# Altium PCB FMC_ADC_250M_16B_4ch.PcbDoc (part 4 of 8)
Units mm, origin at the board's own origin, x right, y up, seen from the top; angles counter-clockwise.
Board outline 76.75 x 69 mm, 8 copper layers (Top Layer, GND(SMAGND), L3, GND, L5, GND (Plane2), Power, Bottom Layer), stack 2.323 mm thick; 401 components, 423 nets, 2219 pads, 1334 vias.
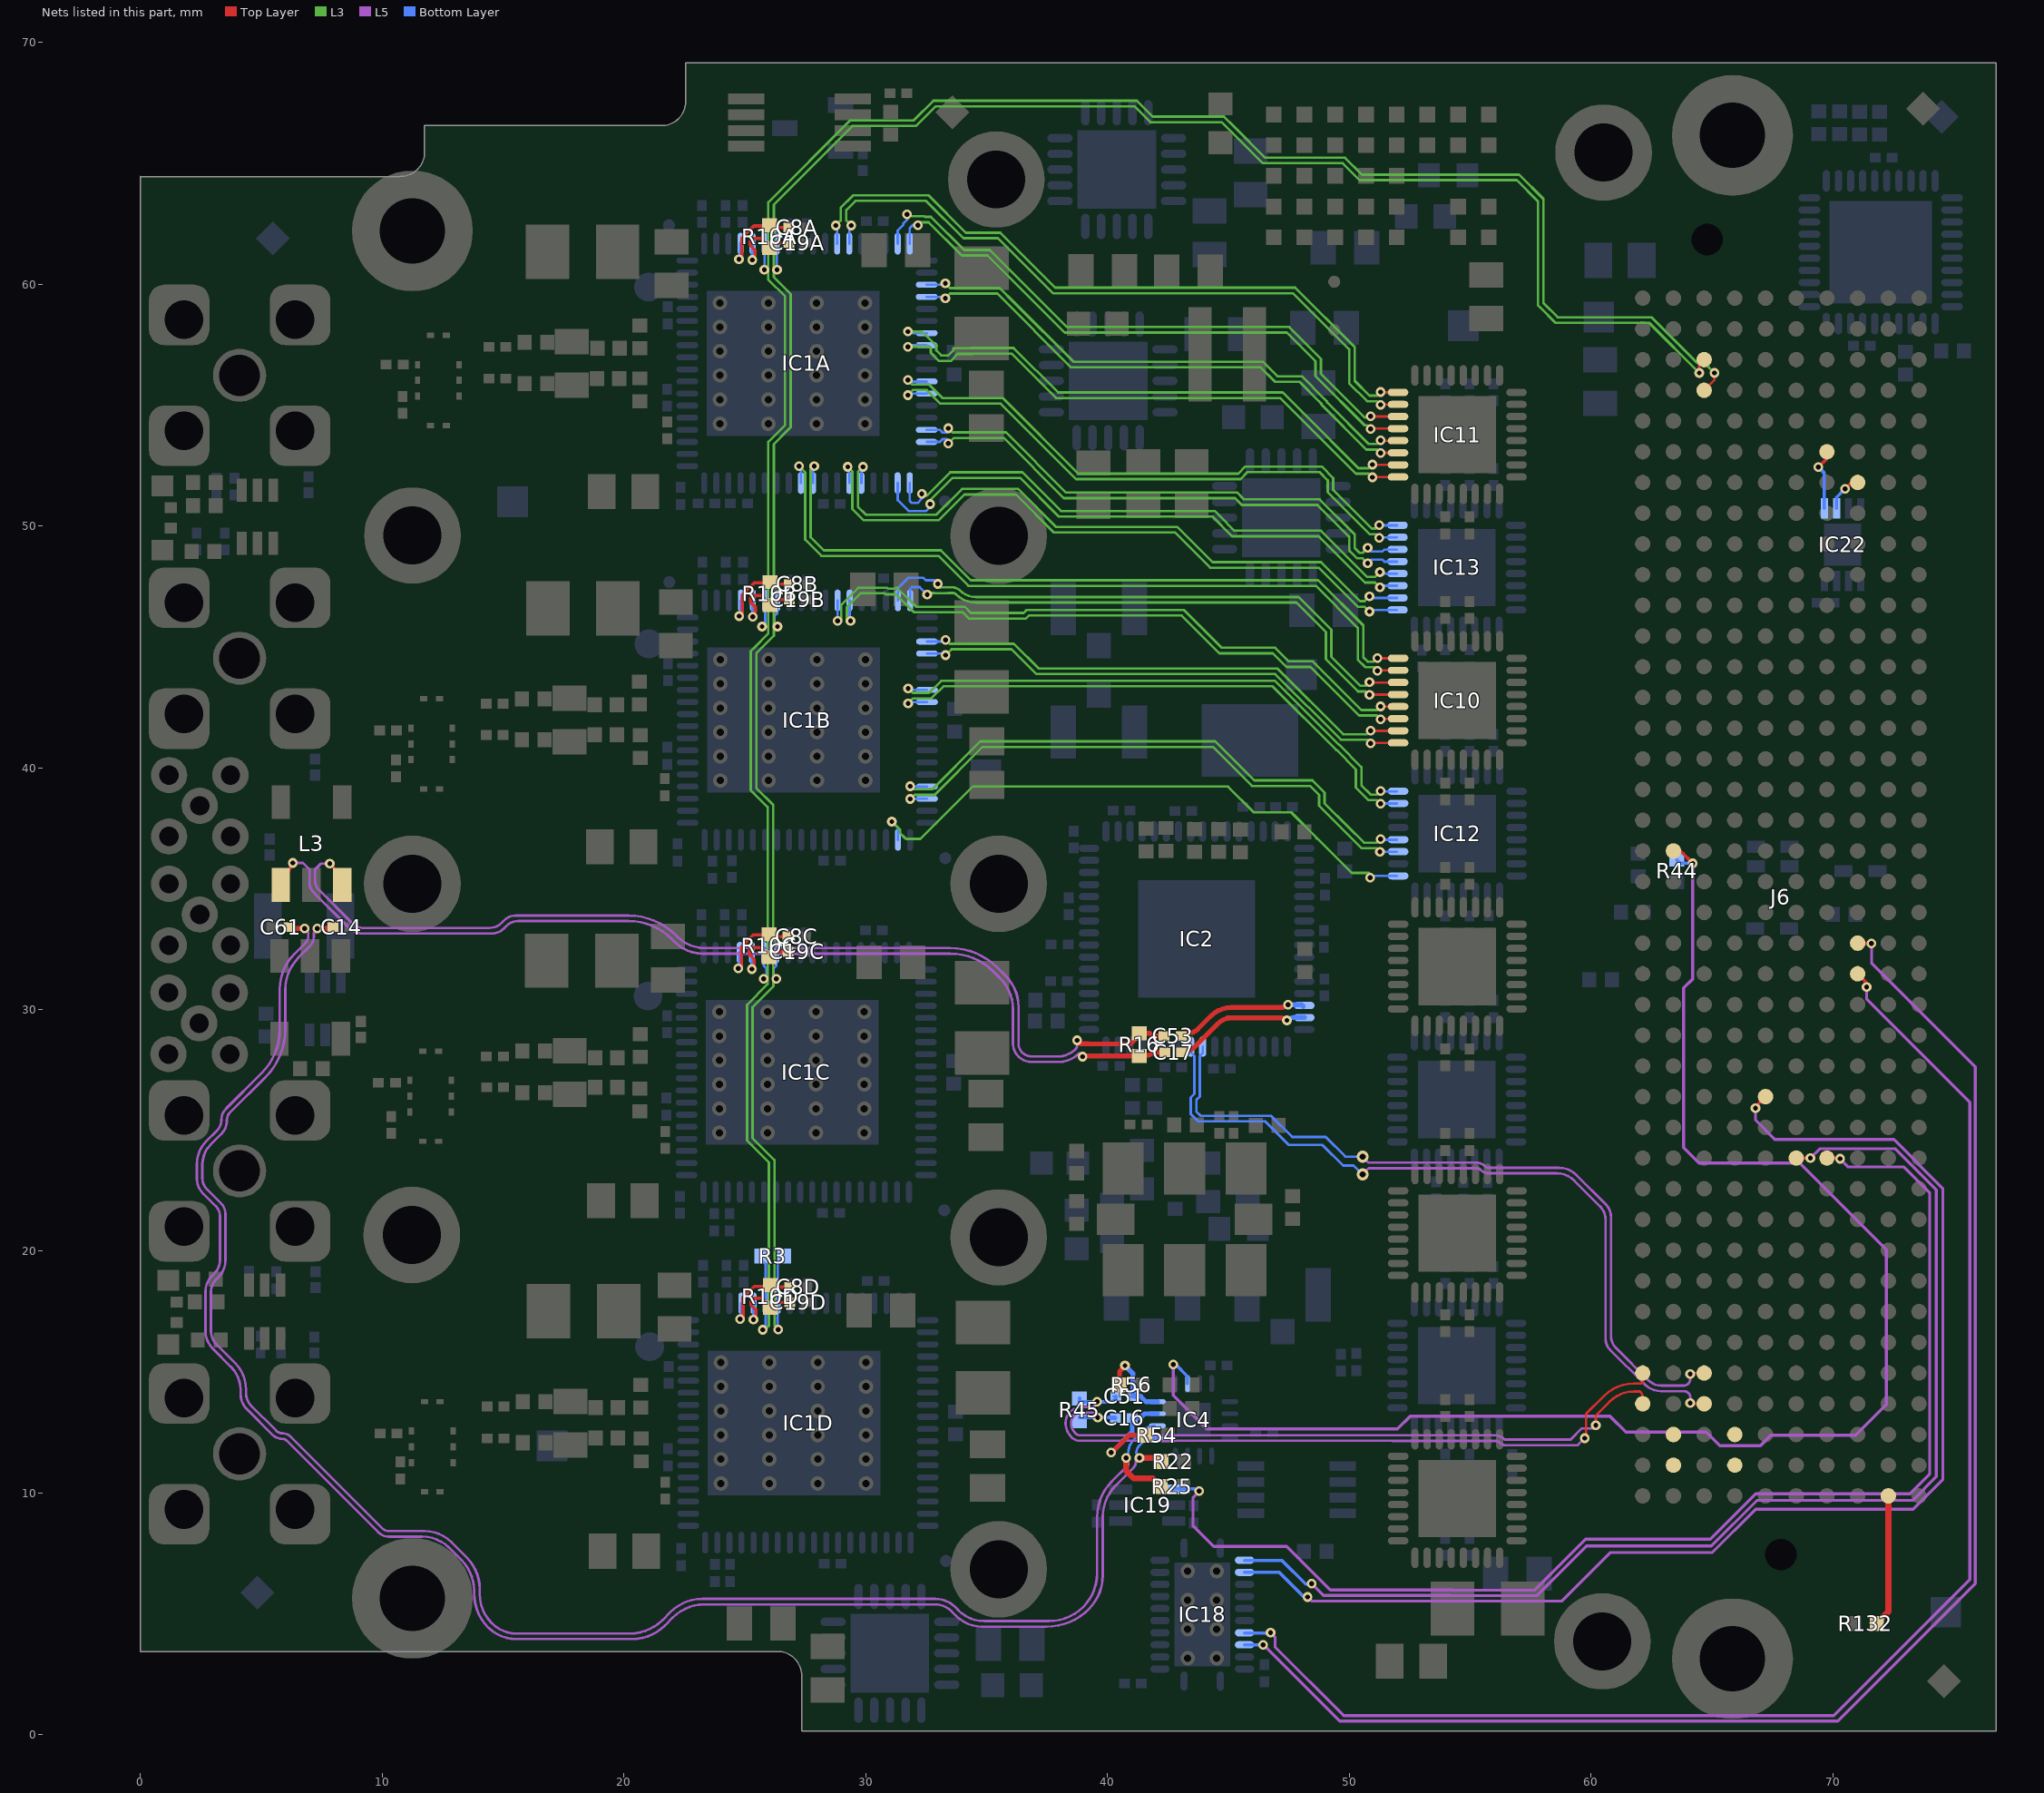
[diagram p10: the nets of this part, all layers, seen from the top]

## Via types
v1: diameter 0.4, hole 0.2, Top Layer to Bottom Layer, tented both sides, 961 vias
v2: diameter 0.5, hole 0.2, Top Layer to Bottom Layer, tented both sides, 314 vias
v3: diameter 0.4, hole 0.2, Top Layer to Bottom Layer, 33 vias
v4: diameter 0.5, hole 0.25, Top Layer to Bottom Layer, tented both sides, 19 vias
v5: diameter 0.6, hole 0.3, Top Layer to Bottom Layer, tented both sides, 7 vias

## Nets (pads, with @x,y where several pads share a name; then routed paths per layer and width w, separated by ;. In a path a pad name is that pad's centre, name@x,y a point inside that pad or via, vN(x,y) a via of type N, cw(c..) or ccw(c..) an arc to the next point about the centre after c; other vN are vias at no path point) (continued)
ADC_DATA2.D4_P: IC1B.56 IC12.9 | length 24.5
  L3 w0.102: v1(31.085,37.771) 31.434,37.421 31.434,37.285 31.618,37.101 31.668,37.051 32.263,37.051 34.431,39.219 44.987,39.219 46.054,38.152 47.603,38.152 48.644,37.111 48.644,37.071 ; 48.684,37.071 50.109,35.646 v1@50.825,35.646
  Bottom Layer w0.102: v1(31.085,37.771) 31.1,37.771 31.339,37.531 IC1B.56@31.339,37.017 ; v1(50.865,35.456) 50.93,35.521 IC12.9@51.971,35.521
ADC_DATA2.D6_N: IC1B.51 IC12.12 | length 23.8
  L3 w0.102: v1(31.841,39.23) 31.964,39.107 32.762,39.107 34.743,41.088 44.457,41.088 46.072,39.473 48.482,39.473 48.986,38.969 48.986,38.522 49.967,37.541 50.611,36.897 51.145,36.897 v1(51.297,37.049)
  Bottom Layer w0.102: v1(31.841,39.23) 31.854,39.217 IC1B.51@32.539,39.217 ; v1(51.297,37.049) 51.326,37.021 IC12.12@51.971,37.021
ADC_DATA2.D6_P: IC1B.52 IC12.11 | length 23.8
  L3 w0.102: v1(31.841,38.703) 31.848,38.703 32.023,38.878 32.857,38.878 34.838,40.859 44.363,40.859 45.977,39.245 48.387,39.245 48.757,38.874 48.757,38.428 50.517,36.668 51.119,36.668 v1(51.272,36.516)
  Bottom Layer w0.102: v1(31.841,38.703) 31.854,38.717 IC1B.52@32.539,38.717 ; v1(51.272,36.516) 51.277,36.521 IC12.11@51.971,36.521
ADC_DATA2.D8_N: IC1B.43 IC12.16 | length 23.8
  L3 w0.102: v1(31.76,43.28) 31.945,43.094 32.624,43.094 33.121,43.592 46.93,43.592 49.569,40.953 49.578,40.953 50.51,40.022 50.51,39.266 50.891,38.885 51.148,38.885 v1(51.297,39.034)
  Bottom Layer w0.102: v1(31.76,43.28) 31.823,43.217 IC1B.43@32.539,43.217 ; v1(51.297,39.034) 51.311,39.021 IC12.16@51.971,39.021
ADC_DATA2.D8_P: IC1B.44 IC12.15 | length 23.8
  L3 w0.102: v1(31.76,42.653) 31.972,42.866 32.718,42.866 33.216,43.363 46.835,43.363 49.474,40.724 49.484,40.724 50.281,39.927 50.281,39.171 50.796,38.656 51.148,38.656 v1(51.297,38.507)
  Bottom Layer w0.102: v1(31.76,42.653) 31.823,42.717 IC1B.44@32.539,42.717 ; v1(51.297,38.507) 51.311,38.521 IC12.15@51.971,38.521
ADC_DATA2.D10_N: IC1B.39 IC10.15 | length 21.1
  Top Layer w0.102: v1(50.891,41.534) 50.904,41.521 IC10.15@51.971,41.521
  L3 w0.102: v1(33.309,45.28) 33.463,45.126 34.032,45.126 34.045,45.139 ; 34.058,45.126 36.133,45.126 37.16,44.099 47.033,44.099 49.747,41.385 50.742,41.385 v1(50.891,41.534)
  Bottom Layer w0.102: IC1B.39@32.539,45.217 33.246,45.217 v1(33.309,45.28)
ADC_DATA2.D10_P: IC1B.40 IC10.16 | length 21.2
  Top Layer w0.102: v1(50.891,41.007) 50.904,41.021 IC10.16@51.971,41.021
  L3 w0.102: v1(33.309,44.653) 33.554,44.898 36.039,44.898 37.066,43.871 46.938,43.871 49.653,41.156 50.742,41.156 v1(50.891,41.007)
  Bottom Layer w0.102: IC1B.40@32.539,44.717 33.246,44.717 v1(33.309,44.653)
ADC_DATA2.D12_N: IC1B.35 IC10.11 | length 23.8
  Top Layer w0.102: v1(50.84,43.534) 50.854,43.521 IC10.11@51.971,43.521
  L3 w0.102: v1@32.99,47.494 33.03,47.454 33.596,47.454 cw(c33.596,47.015) 33.906,47.325 ccw(c34.554,47.973) 34.554,47.057 47.912,47.057 49.265,45.703 49.265,44.579 50.459,43.385 50.691,43.385 v1(50.84,43.534)
  Bottom Layer w0.102: IC1B.35@31.339,46.917 31.339,47.422 31.764,47.847 32.392,47.847 32.494,47.746 32.841,47.746 v1(32.99,47.597)
ADC_DATA2.D12_P: IC1B.36 IC10.12 | length 23.1
  Top Layer w0.102: v1(50.84,43.007) 50.854,43.021 IC10.12@51.971,43.021
  L3 w0.102: v1@32.606,47.153 32.678,47.225 32.828,47.225 32.834,47.219 33.4,47.219 33.406,47.225 33.596,47.225 cw(c33.596,47.015) 33.745,47.163 ccw(c34.554,47.972) 34.554,46.828 47.817,46.828 49.037,45.609 49.037,44.484 50.364,43.156 50.691,43.156 v1(50.84,43.007)
  Bottom Layer w0.102: IC1B.36@31.839,46.917 31.839,47.383 31.922,47.466 32.234,47.466 v1(32.547,47.153)
ADC_DATA2.D14_N: IC1B.30 IC10.13 | length 27.4
  Top Layer w0.102: v1(51.297,42.536) 51.312,42.521 IC10.13@51.971,42.521
  L5 w0.102: v1(28.847,46.066) v1@28.996,46.066
  L3 w0.102: v1(28.847,46.066) 28.971,46.066 28.996,46.092 28.996,46.738 29.696,47.438 30.889,47.438 30.929,47.398 31.221,47.398 31.261,47.438 31.307,47.438 32.088,46.657 34.098,46.657 34.358,46.396 36.536,46.396 36.659,46.52 43.172,46.52 44.733,44.96 46.936,44.96 47.499,44.397 48.496,44.397 48.63,44.263 50.51,42.383 51.145,42.383 v1(51.297,42.536)
  Bottom Layer w0.102: IC1B.30@28.839,46.917 28.839,46.396 28.847,46.388 v1(28.847,46.066)
ADC_DATA2.D14_P: IC1B.31 IC10.14 | length 26.8
  Top Layer w0.102: v1(51.297,42.002) 51.316,42.021 IC10.14@51.971,42.021
  L3 w0.102: v1(29.374,46.066) 29.25,46.066 29.225,46.092 29.225,46.643 29.791,47.209 30.794,47.209 30.834,47.169 31.253,47.169 31.994,46.428 34.003,46.428 34.264,46.168 36.63,46.168 36.754,46.292 43.078,46.292 44.638,44.731 46.841,44.731 47.404,44.168 48.402,44.168 50.415,42.155 51.145,42.155 v1(51.297,42.002)
  Bottom Layer w0.102: IC1B.31@29.339,46.917 29.339,46.101 v1(29.374,46.066)
ADC_DATA3.CLKOUT_N: IC1A.47 IC13.16 | length 24.2
  L3 w0.102: v1(31.745,56.034) 31.934,55.845 32.628,55.845 33.192,55.281 35.681,55.281 38.8,52.162 45.412,52.162 45.703,52.454 48.865,52.454 49.341,51.977 49.341,51.485 50.942,49.885 51.097,49.885 v1(51.246,50.034)
  Bottom Layer w0.102: v1(31.745,56.034) 31.809,55.971 IC1A.47@32.525,55.971 ; v1(51.246,50.034) 51.26,50.021 IC13.16@51.971,50.021
ADC_DATA3.CLKOUT_P: IC1A.48 IC13.15 | length 24.2
  L3 w0.102: v1(31.745,55.407) 31.955,55.617 32.534,55.617 33.098,55.053 35.587,55.053 38.706,51.934 45.506,51.934 45.798,52.225 48.771,52.225 49.113,51.883 49.113,51.39 50.847,49.656 51.097,49.656 v1(51.246,49.507)
  Bottom Layer w0.102: v1(31.745,55.407) 31.809,55.471 IC1A.48@32.525,55.471 ; v1(51.246,49.507) 51.26,49.521 IC13.15@51.971,49.521
ADC_DATA3.D0_N: IC1A.63 IC10.9 | length 30.9
  Top Layer w0.102: v1(51.17,44.534) 51.184,44.521 IC10.9@51.971,44.521
  L3 w0.102: v1(27.875,52.467) 27.723,52.314 27.729,52.308 27.729,49.526 28.271,48.984 33.114,48.984 34.352,47.746 48.722,47.746 50.586,45.881 50.586,44.563 50.764,44.385 51.021,44.385 v1(51.17,44.534)
  Bottom Layer w0.102: IC1A.63@27.825,51.771 27.825,52.417 v1(27.875,52.467)
ADC_DATA3.D0_P: IC1A.64 IC10.10 | length 31.2
  Top Layer w0.102: v1(51.17,44.007) 51.184,44.021 IC10.10@51.971,44.021
  L3 w0.102: 27.389,52.325 27.5,52.214 27.5,49.432 28.176,48.755 33.019,48.755 34.258,47.517 48.627,47.517 50.357,45.787 50.357,44.468 50.669,44.156 51.021,44.156 v1(51.17,44.007)
  Bottom Layer w0.102: v1(27.247,52.467) 27.325,52.389 IC1A.64@27.325,51.771
ADC_DATA3.D2_N: IC1A.59 IC13.10 | length 27.3
  L3 w0.102: v1(29.889,52.442) 29.682,52.234 29.682,50.791 30.012,50.46 32.922,50.46 33.989,51.527 36.311,51.527 37.886,49.952 42.898,49.952 44.353,48.498 48.84,48.498 50.453,46.885 50.64,46.885 v1(50.84,47.085)
  Bottom Layer w0.102: IC1A.59@29.825,51.771 29.825,52.377 v1(29.889,52.442) ; v1(50.84,47.085) 50.904,47.021 IC13.10@51.971,47.021
ADC_DATA3.D2_P: IC1A.60 IC13.9 | length 27.7
  L3 w0.102: v1(29.261,52.442) 29.453,52.249 29.453,50.696 29.917,50.232 33.017,50.232 34.084,51.299 36.217,51.299 37.791,49.724 42.804,49.724 44.258,48.269 48.746,48.269 50.291,46.723 50.358,46.656 50.64,46.656 v1(50.84,46.456)
  Bottom Layer w0.102: v1(29.261,52.442) 29.325,52.377 IC1A.60@29.325,51.771 ; v1(50.84,46.456) 50.904,46.521 IC13.9@51.971,46.521
ADC_DATA3.D4_N: IC1A.55 IC13.12 | length 23.5
  L3 w0.102: v1(32.325,51.322) 32.39,51.257 32.543,51.257 33.499,52.213 36.482,52.213 38.082,50.613 44.439,50.613 44.642,50.41 45.252,49.8 48.836,49.8 50.751,47.885 51.072,47.885 v1(51.272,48.085)
  Bottom Layer w0.102: IC1A.55@31.825,51.771 31.825,51.035 31.917,50.943 32.146,50.943 32.325,51.123 v1(32.325,51.322) ; v1(51.272,48.085) 51.336,48.021 IC13.12@51.971,48.021
ADC_DATA3.D4_P: IC1A.56 IC13.11 | length 24.2
  L3 w0.102: v1@32.77,50.878 32.704,50.943 32.704,51.095 33.593,51.984 36.387,51.984 37.988,50.384 44.345,50.384 45.157,49.571 48.741,49.571 50.656,47.656 51.072,47.656 v1(51.272,47.456)
  Bottom Layer w0.102: IC1A.56@31.325,51.771 31.325,51.052 31.341,51.052 31.78,50.613 32.505,50.613 v1@32.77,50.878 ; v1(51.272,47.456) 51.336,47.521 IC13.11@51.971,47.521
  other v1: 32.675,50.9
ADC_DATA3.D6_N: IC1A.51 IC13.14 | length 22.3
  L3 w0.102: v1(33.422,54.034) 33.592,53.864 35.805,53.864 38.295,51.375 45.373,51.375 45.653,51.095 48.783,51.095 50.23,49.648 50.23,49.088 50.434,48.885 50.564,48.885 v1(50.764,49.085)
  Bottom Layer w0.102: IC1A.51@32.525,53.971 33.066,53.971 33.176,53.86 33.346,53.86 33.422,53.937 v1(33.422,54.034) ; v1(50.764,49.085) 50.913,48.936 51.371,48.936 51.455,49.021 IC13.14@51.971,49.021
ADC_DATA3.D6_P: IC1A.52 IC13.13 | length 22.3
  L3 w0.102: v1(33.422,53.407) 33.65,53.635 35.711,53.635 38.2,51.146 45.279,51.146 45.558,50.867 48.688,50.867 50.002,49.553 50.002,48.993 50.339,48.656 50.564,48.656 v1(50.764,48.456)
  Bottom Layer w0.102: IC1A.52@32.525,53.471 33.066,53.471 33.176,53.581 33.346,53.581 33.422,53.505 v1(33.422,53.407) ; v1(50.764,48.456) 50.913,48.605 51.371,48.605 51.455,48.521 IC13.13@51.971,48.521
ADC_DATA3.D8_N: IC1A.43 IC11.15 | length 23.9
  Top Layer w0.102: v1(50.967,52.534) 50.981,52.521 IC11.15@51.971,52.521
  L3 w0.102: v1(31.745,58.034) 32.344,58.034 32.923,57.456 32.923,57.254 33.129,57.048 33.421,57.048 33.627,57.254 33.627,57.344 34.35,57.344 34.358,57.352 36.125,57.352 36.133,57.344 37.962,55.515 47.252,55.515 48.055,54.711 48.055,54.71 50.38,52.385 50.818,52.385 v1(50.967,52.534)
  Bottom Layer w0.102: v1(31.745,58.034) 31.809,57.971 IC1A.43@32.525,57.971
ADC_DATA3.D8_P: IC1A.44 IC11.16 | length 23.6
  Top Layer w0.102: v1(50.967,52.007) 50.981,52.021 IC11.16@51.971,52.021
  L3 w0.102: v1(31.745,57.407) 31.749,57.411 32.644,57.411 32.694,57.361 32.694,57.159 33.034,56.819 33.516,56.819 33.812,57.115 34.444,57.115 34.453,57.124 36.03,57.124 37.868,55.286 47.15,55.286 50.28,52.156 50.818,52.156 v1(50.967,52.007)
  Bottom Layer w0.102: v1(31.745,57.407) 31.809,57.471 IC1A.44@32.525,57.471
ADC_DATA3.D10_N: IC1A.39 IC11.13 | length 22.3
  Top Layer w0.102: v1(51.297,53.534) 51.311,53.521 IC11.13@51.971,53.521
  L3 w0.102: v1(33.295,60.034) 33.494,59.835 34.145,59.835 34.147,59.833 35.549,59.833 36.159,59.223 38.597,56.785 46.433,56.785 47.032,56.187 48.039,56.187 48.983,55.243 48.983,55.241 49.09,55.133 49.09,55.106 50.811,53.385 51.148,53.385 v1(51.297,53.534)
  Bottom Layer w0.102: IC1A.39@32.525,59.971 33.231,59.971 v1(33.295,60.034)
ADC_DATA3.D10_P: IC1A.40 IC11.14 | length 22.3
  Top Layer w0.102: v1(51.297,53.007) 51.311,53.021 IC11.14@51.971,53.021
  L3 w0.102: v1(33.295,59.407) 33.494,59.606 34.051,59.606 34.052,59.604 35.455,59.604 38.503,56.556 46.338,56.556 46.937,55.958 47.945,55.958 48.754,55.149 48.754,55.146 48.862,55.039 48.862,55.011 50.716,53.156 51.148,53.156 v1(51.297,53.007)
  Bottom Layer w0.102: IC1A.40@32.525,59.471 33.231,59.471 v1(33.295,59.407)
ADC_DATA3.D12_N: IC1A.35 IC11.11 | length 25.4
  Top Layer w0.102: v1(50.891,54.534) 50.904,54.521 IC11.11@51.971,54.521
  L3 w0.102: v1(31.718,62.877) 31.784,62.81 32.419,62.81 32.45,62.779 32.704,62.779 34.076,61.408 35.143,61.408 38.328,58.223 47.516,58.223 47.564,58.175 48.833,56.905 48.833,56.292 50.64,54.485 v1@50.854,54.485
  Bottom Layer w0.102: IC1A.35@31.325,61.671 31.325,62.212 31.564,62.452 31.564,62.513 31.734,62.683 31.734,62.86 v1(31.718,62.877)
ADC_DATA3.D12_P: IC1A.36 IC11.12 | length 24.8
  Top Layer w0.102: v1(50.891,54.007) 50.904,54.021 IC11.12@51.971,54.021
  L3 w0.102: v1(32.162,62.433) 32.28,62.551 32.61,62.551 33.981,61.179 35.048,61.179 38.233,57.994 47.421,57.994 48.605,56.81 48.605,56.195 50.644,54.156 50.742,54.156 v1(50.891,54.007)
  Bottom Layer w0.102: IC1A.36@31.825,61.671 31.825,62.306 31.968,62.449 32.146,62.449 v1(32.162,62.433)
ADC_DATA3.D14_N: IC1A.30 IC11.9 | length 29.1
  Top Layer w0.102: v1(51.297,55.534) 51.311,55.521 IC11.9@51.971,55.521
  L3 w0.102: v1(28.771,62.424) 28.971,62.624 28.971,63.153 29.486,63.668 32.596,63.668 34.143,62.122 35.572,62.122 37.844,59.85 47.771,59.85 50.23,57.391 50.23,55.994 50.84,55.385 51.148,55.385 v1(51.297,55.534)
  Bottom Layer w0.102: v1(28.771,62.424) 28.825,62.369 IC1A.30@28.825,61.671
ADC_DATA3.D14_P: IC1A.31 IC11.10 | length 28.7
  Top Layer w0.102: v1(51.297,55.007) 51.311,55.021 IC11.10@51.971,55.021
  L3 w0.102: v1(29.399,62.424) 29.199,62.624 29.199,63.059 29.58,63.44 32.501,63.44 34.048,61.893 35.477,61.893 37.545,59.825 37.749,59.621 47.677,59.621 50.002,57.296 50.002,55.9 50.745,55.156 51.148,55.156 v1(51.297,55.007)
  Bottom Layer w0.102: IC1A.31@29.325,61.671 29.325,62.35 v1(29.399,62.424)
ADC_RESETN: IC18.14 J6.e12 | length 49.9
  Top Layer w0.135: J6.e12@68.491,23.855 v1(69.076,23.855)
  L5 w0.123: v1(48.445,6.258) 48.936,5.767 54.179,5.767 54.184,5.763 57.766,5.763 59.822,7.818 64.982,7.818 66.863,9.698 73.307,9.698 74.289,10.68 74.289,22.543 72.593,24.239 69.46,24.239 v1(69.076,23.855)
  Bottom Layer w0.135: IC18.14@45.681,7.219 47.218,7.219 48.198,6.239 v1@48.445,6.239 ; v1(48.445,6.258) v1@48.56,6.258
ADC_SCLK: IC18.20 J6.c18 | length 61
  Top Layer w0.135: J6.c18@71.031,31.475 71.406,31.1 v1(71.406,30.925)
  L5 w0.123: v1(46.751,4.232) 46.936,4.047 46.936,3.639 49.775,0.799 70.048,0.799 75.676,6.427 75.676,26.156 71.406,30.425 v1(71.406,30.925)
  Bottom Layer w0.135: IC18.20@45.681,4.219 46.737,4.219 v1(46.751,4.232)
ADC_SDI: IC18.21 J6.c19 | length 62.7
  Top Layer w0.135: J6.c19@71.031,32.745 71.051,32.725 v1(71.606,32.725)
  L5 w0.123: v1(46.44,3.719) 46.467,3.719 49.611,0.575 70.212,0.575 75.9,6.263 75.9,27.625 71.606,31.919 v1(71.606,32.725)
  Bottom Layer w0.135: IC18.21@45.681,3.719 v1(46.44,3.719)
ADC_SDO: IC19.4 J6.d12 | length 52.7
  Top Layer w0.135: J6.d12@69.761,23.855 70.276,23.855 v1(70.306,23.825)
  L5 w0.123: v1@43.806,10.073 43.539,9.806 43.539,8.663 44.402,7.8 47.416,7.8 49.225,5.991 54.272,5.991 54.276,5.987 57.673,5.987 59.78,8.093 64.935,8.093 66.815,9.973 73.193,9.973 74.013,10.794 74.013,22.418 72.943,23.488 70.643,23.488 v1(70.306,23.825)
  Bottom Layer w0.135: IC19.4@42.684,10.18 43.597,10.18 v1@43.73,10.047
  other v1: 43.793,10.085
ADC_SLEEP: IC18.15 J6.f14 | length 53.5
  Top Layer w0.135: v1(66.806,25.925) 66.806,25.98 J6.f14@67.221,26.395
  L5 w0.123: v1(48.275,5.706) 48.442,5.538 58.804,5.538 60.808,7.543 65.024,7.543 66.819,9.338 73.335,9.338 74.554,10.557 74.554,22.603 72.532,24.625 67.606,24.625 66.806,25.425 v1(66.806,25.925)
  Bottom Layer w0.135: IC18.15@45.681,6.719 47.118,6.719 48.132,5.706 v1(48.275,5.706)
CLK1_M2C_N: J6.g3
CLK1_M2C_P: J6.g2
CLK3_BIDIR_N: J6.j3
CLK3_BIDIR_P: J6.j2
CLK_DIR: J6.b1 R132.2 | length 5.5
  Top Layer w0.254: R132.2@71.8,4.6 72.301,5.101 J6.b1@72.301,9.885
CLK_SEL: IC4.6 J6.j22 R44.1 | length 64
  Top Layer w0.135: J6.j22@63.411,36.555 63.704,36.555 v1(64.215,36.044)
  L5 w0.135: v1(42.726,15.318) 42.726,14.048 44.123,12.651 51.997,12.651 52.531,13.184 60.786,13.184 61.446,12.524 64.773,12.524 65.332,11.965 67.011,11.965 67.44,12.394 70.943,12.394 72.216,13.667 72.216,20.068 68.634,23.649 64.469,23.649 63.834,24.284 63.834,30.888 64.215,31.269 v1(64.215,36.044)
  Bottom Layer w0.135: v1(42.726,15.318) 42.828,15.318 43.31,14.835 43.31,14.784 43.314,14.78 IC4.6@43.314,14.532 ; R44.1@63.554,36.189 63.699,36.044 v1(64.215,36.044)
CLKCA_N: C19A.2 IC1A.23 R10A.2 | length 3.4
  Top Layer w0.135: v1@25.319,61.095 25.421,61.196 25.421,61.399 25.218,61.603 25.218,61.755 25.345,61.882 25.657,61.882 26.03,61.508 26.226,61.704 C19A.2@26.823,61.704
  Bottom Layer w0.135: v1(25.319,60.993) 25.325,60.999 IC1A.23@25.325,61.671
CLKCA_P: C8A.2 IC1A.22 R10A.1 | length 3.8
  Top Layer w0.135: v1(24.76,61.018) 24.76,60.993 24.887,61.12 24.887,61.907 25.382,62.402 26.024,62.402 R10A.1@26.03,62.408 ; R10A.1@25.922,62.339 C8A.2@26.696,62.339
  Bottom Layer w0.135: v1(24.76,61.018) 24.786,61.018 24.825,61.058 IC1A.22@24.825,61.671
CLKCB_N: C19B.2 IC1B.23 R10B.2 | length 3.4
  Top Layer w0.135: v1@25.333,46.341 25.435,46.442 25.435,46.645 25.232,46.849 25.232,47.001 25.359,47.128 25.671,47.128 26.045,46.754 26.241,46.95 C19B.2@26.838,46.95
  Bottom Layer w0.135: v1(25.333,46.239) 25.339,46.245 IC1B.23@25.339,46.917
CLKCB_P: C8B.2 IC1B.22 R10B.1 | length 3.8
  Top Layer w0.135: v1(24.775,46.264) 24.775,46.239 24.902,46.366 24.902,47.153 25.396,47.648 26.038,47.648 R10B.1@26.045,47.654 ; R10B.1@25.936,47.585 C8B.2@26.711,47.585
  Bottom Layer w0.135: v1(24.775,46.264) 24.8,46.264 24.839,46.304 IC1B.22@24.839,46.917
CLKCC_N: C19C.2 IC1C.23 R10C.2 | length 3.4
  Top Layer w0.135: v1@25.291,31.774 25.392,31.875 25.392,32.079 25.189,32.282 25.189,32.434 25.316,32.561 25.628,32.561 26.002,32.187 26.198,32.383 C19C.2@26.795,32.383
  Bottom Layer w0.135: v1(25.291,31.672) 25.297,31.678 IC1C.23@25.297,32.35
CLKCC_P: C8C.2 IC1C.22 R10C.1 | length 3.8
  Top Layer w0.135: v1(24.732,31.698) 24.732,31.672 24.859,31.799 24.859,32.587 25.354,33.081 25.996,33.081 R10C.1@26.002,33.087 ; R10C.1@25.893,33.018 C8C.2@26.668,33.018
  Bottom Layer w0.135: v1(24.732,31.698) 24.757,31.698 24.797,31.737 IC1C.22@24.797,32.35
CLKCD_N: C19D.2 IC1D.23 R10D.2 | length 3.4
  Top Layer w0.135: v1@25.361,17.274 25.462,17.375 25.462,17.579 25.259,17.782 25.259,17.934 25.386,18.061 25.698,18.061 26.072,17.687 26.268,17.883 C19D.2@26.865,17.883
  Bottom Layer w0.135: v1(25.361,17.172) 25.367,17.178 IC1D.23@25.367,17.85
CLKCD_P: C8D.2 IC1D.22 R10D.1 | length 3.8
  Top Layer w0.135: v1(24.802,17.198) 24.802,17.172 24.929,17.299 24.929,18.087 25.391,18.549 26.033,18.549 R10D.1@26.072,18.587 ; R10D.1@25.963,18.518 C8D.2@26.738,18.518
  Bottom Layer w0.135: v1(24.802,17.198) 24.827,17.198 24.867,17.237 IC1D.22@24.867,17.85
CLKDIVRST_N: IC1A.25 IC1B.25 IC1C.25 IC1D.25 J6.h38 R3.1 | length 102.2
  Top Layer w0.102: v1(64.478,56.325) 64.478,56.671 J6.h38@64.681,56.875
  L3 w0.102: v1@26.177,31.266 26.177,38.465 25.479,39.163 25.479,44.729 26.202,45.452 26.202,53.379 26.831,54.008 26.898,54.074 26.898,59.589 26.831,59.656 26.202,60.285 26.202,63.287 29.451,66.537 32.085,66.537 32.899,67.35 41.125,67.35 41.782,66.693 44.728,66.693 45.149,66.273 45.152,66.273 46.429,64.996 49.735,64.996 50.435,64.296 56.935,64.296 57.806,63.425 57.806,59.125 57.889,59.042 58.535,58.396 62.406,58.396 v1(64.478,56.325) ; v1@26.186,31.266 26.186,30.961 25.325,30.1 25.325,24.673 26.231,23.767 26.231,16.915 v1(26.38,16.766)
  Bottom Layer w0.102: v1@26.186,31.317 26.186,31.697 26.297,31.807 IC1C.25@26.297,32.35 ; v1@26.229,45.883 26.229,46.264 26.339,46.374 IC1B.25@26.339,46.917 ; IC1A.25@26.325,61.671 26.325,60.6 v1(26.339,60.587) ; v1@26.358,16.919 26.358,17.299 26.367,17.307 IC1D.25@26.367,17.85 26.367,19.485 R3.1@26.507,19.625
  other v1: 26.31,31.266 26.353,45.833
CLKDIVRST_P: IC1A.24 IC1B.24 IC1C.24 IC1D.24 J6.h37 R3.2 | length 104.4
  Top Layer w0.102: J6.h37@64.681,55.605 65.106,56.03 v1(65.106,56.325)
  L3 w0.102: v1(25.719,45.838) 25.948,45.838 25.973,45.812 ; v1(25.745,16.755) 25.842,16.755 26.002,16.915 26.002,23.673 25.096,24.579 25.096,30.195 25.95,31.048 25.95,38.368 25.25,39.068 25.25,44.823 25.388,44.962 25.973,45.547 25.973,45.812 ; v1(65.106,56.325) 64.686,56.745 64.381,56.745 62.501,58.625 58.63,58.625 58.035,59.22 58.035,63.52 57.03,64.525 50.53,64.525 49.83,65.225 46.523,65.225 45.247,66.502 45.243,66.502 44.823,66.922 41.876,66.922 41.22,67.579 32.804,67.579 31.991,66.765 29.357,66.765 25.973,63.382 25.973,60.177 25.987,60.177 26.669,59.494 26.669,54.169 25.973,53.473 25.973,45.812
  Bottom Layer w0.102: R3.2@25.694,19.625 25.867,19.452 IC1D.24@25.867,17.85 25.867,16.984 25.875,16.975 25.875,16.766 25.853,16.766 25.842,16.755 v1(25.745,16.755) ; v1(25.719,45.838) 25.821,45.838 25.826,45.833 25.848,45.833 25.848,46.365 25.839,46.374 IC1B.24@25.839,46.917 ; IC1C.24@25.797,32.35 25.797,31.807 25.907,31.697 v1@25.907,31.317 ; IC1A.24@25.825,61.671 25.825,60.6 v1(25.812,60.587) v1@25.834,60.587
  other v1: 25.783,31.266
E_CLK_N: C53.2 L3.1 R16.2 | length 42.6
  Top Layer w0.102: v1(7.838,36.033) 8.352,35.519 L3.1@8.352,35.148
  Top Layer w0.2: v1(38.75,28.725) 38.896,28.578 39.193,28.578 39.2,28.572 40.95,28.572 41.325,28.947 R16.2@41.325,29.02 41.735,29.02 41.855,28.9 C53.2@42.35,28.9
  L5 w0.102: v1(7.838,36.033) 7.472,36.033 7.228,35.789 7.228,35.325 ccw(c7.764,35.325) 7.385,34.946 8.784,33.548 ccw(c9.206,33.97) 9.206,33.373 14.444,33.373 ccw(c14.444,34.082) 14.946,33.58 15.047,33.682 cw(c15.538,33.191) 15.538,33.885 20.193,33.885 cw(c20.193,31.117) 22.15,33.074 22.216,33.009 ccw(c23.35,34.143) 23.35,32.539 33.495,32.539 cw(c33.495,29.77) 35.453,31.728 35.801,31.38 cw(c34.536,30.114) 36.325,30.114 36.325,28.589 ccw(c36.846,28.589) 36.478,28.221 ccw(c36.872,28.615) 36.872,28.058 37.969,28.058 ccw(c37.969,29.056) 38.675,28.35 ccw(c38.495,28.53) 38.747,28.497 ccw(c38.495,28.53) 38.75,28.53 v1(38.75,28.725)
E_CLK_P: C17.2 L3.3 R16.1 | length 42.5
  Top Layer w0.135: L3.3@5.812,35.148 v1(6.314,36.059)
  Top Layer w0.2: v1(38.975,28.05) 39.005,28.08 R16.1@41.325,28.08 41.53,28.08 ccw(c41.53,28.575) 41.88,28.225 C17.2@42.375,28.225
  L5 w0.102: v1(6.314,36.059) 6.733,36.059 7,35.792 7,35.261 ccw(c7.608,35.261) 7.178,34.83 8.622,33.386 ccw(c9.206,33.97) 9.206,33.144 14.539,33.144 ccw(c14.539,33.853) 15.039,33.351 ccw(c14.539,33.853) 15.04,33.352 15.061,33.373 15.142,33.454 cw(c15.632,32.963) 15.632,33.657 20.193,33.657 cw(c20.193,31.117) 21.989,32.913 22.121,32.78 ccw(c23.255,33.915) 23.255,32.31 33.495,32.31 cw(c33.495,29.77) 35.291,31.566 35.573,31.285 cw(c34.307,30.02) 36.097,30.02 36.097,28.589 ccw(c36.846,28.589) 36.316,28.059 ccw(c36.872,28.615) 36.872,27.829 37.969,27.829 ccw(c37.969,29.056) 38.837,28.188 v1@38.849,28.175 ; v1@38.85,28.175 v1(38.975,28.05)
E_CLKC_N: C53.1 IC2.14 | length 5.6
  Top Layer w0.2: C53.1@43.05,28.9 cw(c43.291,28.659) 43.291,29 ccw(c43.291,29.624) 43.733,29.183 44.278,29.728 cw(c45.125,28.88) 45.125,30.079 47.182,30.079 ccw(c47.182,30.493) v1(47.475,30.2)
  Bottom Layer w0.102: IC2.14@48.101,30.125 IC2.14@48.142,30.166
  Bottom Layer w0.2: v1(47.475,30.2) 48.026,30.2 IC2.14@48.101,30.125
E_CLKC_P: C17.1 IC2.15 | length 5.8
  Top Layer w0.2: C17.1@43.075,28.225 cw(c43.316,27.984) 43.316,28.325 ccw(c43.316,28.723) 43.598,28.441 44.575,29.419 cw(c45.125,28.87) 45.125,29.647 ; 44.947,29.647 45.125,29.647 ; v1(47.425,29.55) ccw(c47.191,29.316) 47.367,29.596 ccw(c47.191,29.316) 47.191,29.647 45.125,29.647
  Bottom Layer w0.2: v1(47.425,29.55) cw(c47.704,29.271) 47.704,29.666 IC2.15@48.142,29.666
EXT_CLK_N: C14.1 IC4.2 R25.1 | length 73.7
  Top Layer w0.1: C14.1@7.919,33.35 C14.1@7.975,33.406
  Top Layer w0.2: v3(7.325,33.35) C14.1@7.919,33.35
  Top Layer w0.254: v1(40.77,11.457) 40.77,10.93 41.09,10.61 41.87,10.61 R25.1@42.205,10.275
  L5 w0.102: 3.348,21.972 cw(c2.921,21.545) 3.525,21.545 3.525,19.632 cw(c2.541,19.632) 3.237,18.937 3.132,18.832 ccw(c3.631,18.333) 2.925,18.333 2.925,16.708 ccw(c3.733,16.708) 3.162,16.137 3.917,15.382 cw(c2.81,14.275) 4.375,14.275 4.375,14.108 ccw(c5.058,14.108) 4.575,13.625 5.619,12.581 ccw(c5.875,12.837) 5.875,12.475 cw(c5.875,11.992) 6.216,12.334 10.009,8.541 ccw(c10.275,8.808) 10.275,8.431 11.756,8.431 cw(c11.756,6.856) 12.869,7.97 ; 3.348,21.972 2.756,22.564 cw(c3.207,23.016) 2.569,23.016 2.569,23.598 cw(c3.705,23.598) 2.902,24.402 3.353,24.853 ccw(c2.801,25.405) 3.578,25.331 ccw(c2.801,25.405) 3.582,25.405 3.582,25.425 cw(c4.025,25.425) 3.712,25.739 5.187,27.214 ccw(c3.229,29.172) 5.998,29.172 5.998,30.817 cw(c7.883,30.817) 6.55,32.15 7.002,32.602 ccw(c6.577,33.028) 7.179,33.028 7.179,33.15 cw(c7.308,33.15) v3@7.217,33.242 ; 12.87,7.97 13.502,7.337 cw(c12.209,6.045) 14.037,6.045 14.037,5.838 ccw(c15.772,5.838) 14.546,4.611 ; 14.546,4.61 ccw(c15.556,5.621) 15.556,4.193 20.25,4.193 ccw(c20.25,6.103) 21.601,4.752 21.93,5.081 cw(c23.244,3.768) 23.244,5.625 32.887,5.625 cw(c32.887,4.463) 33.136,5.598 cw(c32.887,4.463) 33.709,5.285 33.85,5.144 ; 33.851,5.143 ccw(c34.907,6.201) 34.907,4.706 37.584,4.706 ccw(c37.584,6.708) 38.999,5.292 ; 39,5.292 ccw(c37.608,6.684) 39.577,6.684 39.577,9.003 cw(c41.674,9.003) 40.191,10.486 40.849,11.144 ccw(c40.803,11.19) 40.867,11.178 ccw(c40.803,11.19) 40.868,11.19 40.868,11.222 ccw(c40.535,11.222) v1(40.77,11.457)
  Bottom Layer w0.102: v1@40.786,11.473 ccw(c40.583,11.675) 40.87,11.675 cw(c41.612,11.675) 41.087,12.2 41.474,12.586 cw(c41.946,12.115) IC4.2@41.946,12.782
EXT_CLK_P: C61.1 IC4.1 R22.1 | length 72.5
  Top Layer w0.1: C61.1@6.15,33.4 C61.1@6.2,33.35
  Top Layer w0.2: C61.1@6.2,33.35 v3(6.8,33.35)
  Top Layer w0.254: v1(41.329,11.457) R22.1@42.073,11.457
  L5 w0.102: v3(6.8,33.35) 6.915,33.235 cw(c6.829,33.15) 6.95,33.15 6.95,33.028 cw(c6.577,33.028) 6.841,32.764 6.369,32.292 ccw(c7.816,30.845) 5.769,30.845 5.769,29.172 cw(c3.229,29.172) 5.025,27.375 3.55,25.9 ccw(c4.025,25.425) 3.353,25.425 cw(c2.753,25.425) 3.178,25.001 2.74,24.563 ccw(c3.705,23.598) 2.34,23.598 2.34,23 ccw(c3.182,23) 2.587,22.405 3.117,21.875 cw(c2.683,21.442) 3.296,21.442 3.296,19.632 cw(c2.541,19.632) 3.075,19.098 2.97,18.993 ccw(c3.631,18.333) 2.696,18.333 2.696,16.708 ccw(c3.733,16.708) 3,15.975 3.755,15.22 cw(c2.81,14.275) 4.146,14.275 4.146,14.108 ccw(c5.058,14.108) 4.413,13.463 5.457,12.419 ccw(c5.875,12.837) 5.875,12.246 cw(c5.875,11.992) 6.055,12.172 9.847,8.38 ccw(c10.275,8.808) 10.275,8.202 11.661,8.202 cw(c11.661,6.627) 12.774,7.742 13.273,7.243 ; 13.274,7.242 cw(c11.981,5.95) 13.809,5.95 13.809,5.838 ccw(c15.772,5.838) 14.384,4.449 ccw(c15.556,5.621) 14.415,4.419 ccw(c15.556,5.621) 15.556,3.964 20.345,3.964 ccw(c20.345,5.875) 21.696,4.524 22.025,4.853 ; 22.026,4.854 cw(c23.338,3.539) 23.338,5.397 32.887,5.397 cw(c32.887,4.463) 33.073,5.378 cw(c32.887,4.463) 33.547,5.123 33.755,4.915 ccw(c34.813,5.973) 34.813,4.477 37.49,4.477 ccw(c37.49,6.937) 39.229,5.198 ; 39.229,5.199 ccw(c37.837,6.59) 39.805,6.59 39.805,9.003 cw(c41.674,9.003) 40.353,10.325 41.08,11.052 ccw(c40.841,11.291) 41.179,11.291 ; 41.178,11.306 ccw(c40.77,11.325) 41.179,11.325 v1@41.179,11.42
  Bottom Layer w0.102: v1@41.263,11.523 cw(c41.414,11.675) 41.2,11.675 cw(c41.612,11.675) 41.321,11.966 41.618,12.264 cw(c41.662,12.22) 41.662,12.282 IC4.1@42.064,12.282
FMC_CLK_N: C51.2 J6.k5 R45.2 | length 30
  Top Layer w0.102: v1(59.744,12.27) 59.8,12.326 59.8,13.275 60.545,14.021 cw(c61.776,12.79) 61.776,14.53 62.046,14.53 ccw(c62.046,14.665) 62.141,14.57 J6.k5@62.141,14.965
  L5 w0.102: v1(39.575,13.775) cw(c39.354,13.775) 39.354,13.554 38.928,13.554 ccw(c38.928,12.897) 38.271,12.897 ccw(c39.097,12.897) 38.513,12.313 ccw(c38.872,12.672) 38.872,12.165 51.772,12.165 51.775,12.161 56.007,12.161 cw(c56.007,11.782) 56.275,12.05 ccw(c56.437,12.212) 56.437,11.983 59.457,11.983 v1(59.744,12.27)
  Bottom Layer w0.102: C51.2@40.25,14 C51.2@40.35,14
  Bottom Layer w0.152: R45.2@38.844,13.92 38.844,13.775 v1(39.575,13.775) 40.125,13.775 ccw(c40.125,14) C51.2@40.35,14
FMC_CLK_P: C16.2 J6.k4 R45.1 | length 28.6
  Top Layer w0.102: v1(60.201,12.803) 60.201,13.21 60.779,13.787 cw(c61.776,12.79) 61.776,14.2 62.005,14.2 cw(c62.005,14.143) 62.045,14.184 cw(c61.812,13.951) 62.141,13.951 J6.k4@62.141,13.695
  L5 w0.102: v1(39.6,13.125) ccw(c39.4,13.125) 39.4,13.325 38.928,13.325 ccw(c38.928,12.897) 38.5,12.897 ccw(c39.097,12.897) 38.675,12.475 ccw(c38.872,12.672) 38.872,12.393 51.772,12.393 51.775,12.397 55.99,12.397 cw(c55.99,11.765) 56.437,12.212 59.162,12.212 59.625,12.675 60.073,12.675 v1(60.201,12.803)
  Bottom Layer w0.152: R45.1@38.844,13.125 v1(39.6,13.125) C16.2@40.15,13.125 ; C16.2@40.15,13.125 40.3,13.125 cw(c40.3,13.1) C16.2@40.325,13.1 40.175,13.1 C16.2@40.15,13.125
FMC_CLKC_N: C51.1 IC4.4 R56.1 | length 3.4
  Top Layer w0.2: R56.1@40.505,14.475 40.505,15.03 40.725,15.25 v1(40.725,15.275)
  Bottom Layer w0.2: v1(40.725,15.275) 41.05,14.95 C51.1@41.05,14 41.375,14 41.593,13.782 IC4.4@42.064,13.782
FMC_CLKC_P: C16.1 IC4.3 R54.1 | length 4.6
  Top Layer w0.2: v1(40.15,11.675) 40.175,11.675 40.893,12.393 R54.1@41.555,12.393
  Bottom Layer w0.2: v1(40.15,11.675) 40.175,11.675 41.025,12.525 C16.1@41.025,13.1 41.35,13.1 41.532,13.282 IC4.3@42.064,13.282
FPGA_CLK_N: IC2.24 J6.h5 | length 31.9
  Top Layer w0.102: v1@64.146,14.965 J6.h5@64.681,14.965
  L5 w0.102: v4(50.561,23.913) 50.811,23.663 55.272,23.663 cw(c55.272,23.191) 55.606,23.525 ccw(c55.779,23.697) 55.779,23.454 58.677,23.454 cw(c58.677,22.429) 59.401,23.154 60.606,21.948 cw(c60.055,21.396) 60.835,21.396 60.835,16.468 ccw(c61.461,16.468) 61.018,16.025 62.384,14.66 ccw(c62.906,15.182) 62.906,14.443 63.825,14.443 ccw(c63.825,14.729) 64.027,14.527 ccw(c63.835,14.719) 64.106,14.719 v1(64.106,14.925)
  Bottom Layer w0.102: IC2.24@43.942,28.466 43.942,28.192 43.825,28.075 43.825,26.406 43.677,26.258 43.677,25.782 43.859,25.6 46.775,25.6 47.645,24.73 49.029,24.73 49.846,23.913 v4(50.561,23.913)
FPGA_CLK_P: IC2.25 J6.h4 | length 32.4
  Top Layer w0.102: v1(64.106,13.725) 64.136,13.695 J6.h4@64.681,13.695
  L5 w0.102: v4(50.561,23.185) 50.811,23.435 55.272,23.435 cw(c55.272,23.191) 55.445,23.363 ccw(c55.779,23.697) 55.779,23.225 58.582,23.225 cw(c58.582,22.201) 59.306,22.926 ; 59.306,22.925 60.378,21.854 cw(c59.826,21.302) 60.606,21.302 60.606,16.373 ccw(c61.233,16.373) 60.789,15.931 ; 60.79,15.93 62.224,14.496 ccw(c62.904,15.177) 62.904,14.215 63.835,14.215 cw(c63.835,13.929) 64.037,14.131 cw(c63.845,13.939) v1@64.093,13.828
  Bottom Layer w0.102: IC2.25@43.442,28.466 43.442,28.233 43.6,28.075 43.6,26.512 43.45,26.362 43.45,25.675 43.75,25.375 46.533,25.375 47.508,24.4 48.892,24.4 49.749,23.544 50.182,23.544 50.541,23.185 v4(50.561,23.185)
GA0: IC22.2 J6.c34 | length 1.6
  Top Layer w0.135: v1(70.506,51.525) 70.776,51.795 J6.c34@71.031,51.795
  Bottom Layer w0.135: IC22.2@70.156,50.725 70.156,51.175 v1(70.506,51.525)
GA1: IC22.1 J6.d35 | length 2.6
  Top Layer w0.135: v1(69.406,52.425) 69.761,52.78 J6.d35@69.761,53.065
  Bottom Layer w0.135: v1(69.406,52.425) 69.656,52.175 IC22.1@69.656,50.725